# Altium PCB 宝宝驱动板_V8.PcbDoc
Units mil, origin at the board's own origin, x right, y up, seen from the top; angles counter-clockwise.
Board outline 3925 x 1575 mil, 2 copper layers (Top Layer, Bottom Layer); 95 components, 44 nets, 253 pads, 196 vias.
Unrouted connection lines stored in the file: 53.
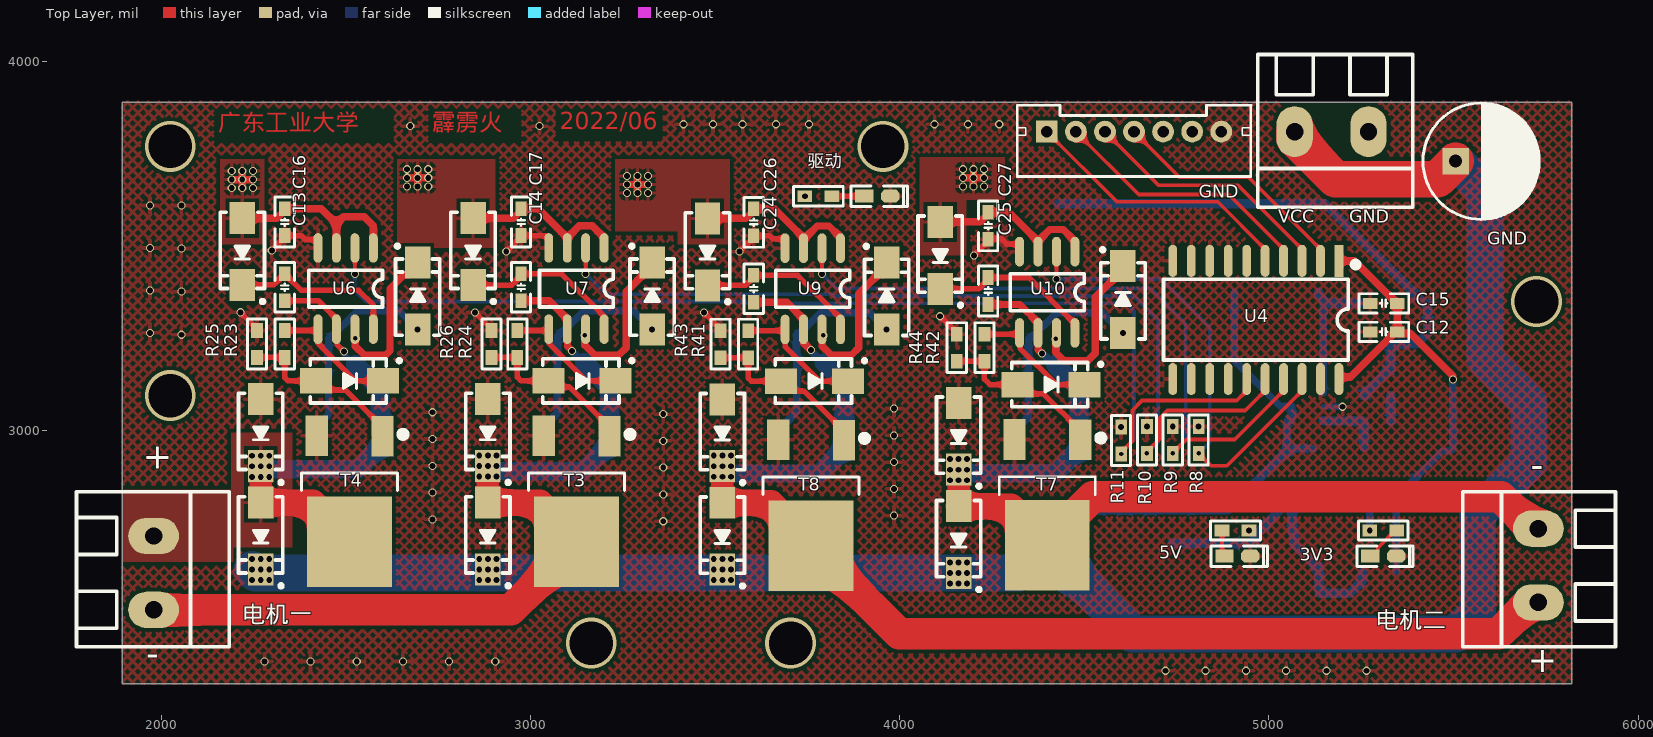
[diagram p0: Top Layer view]
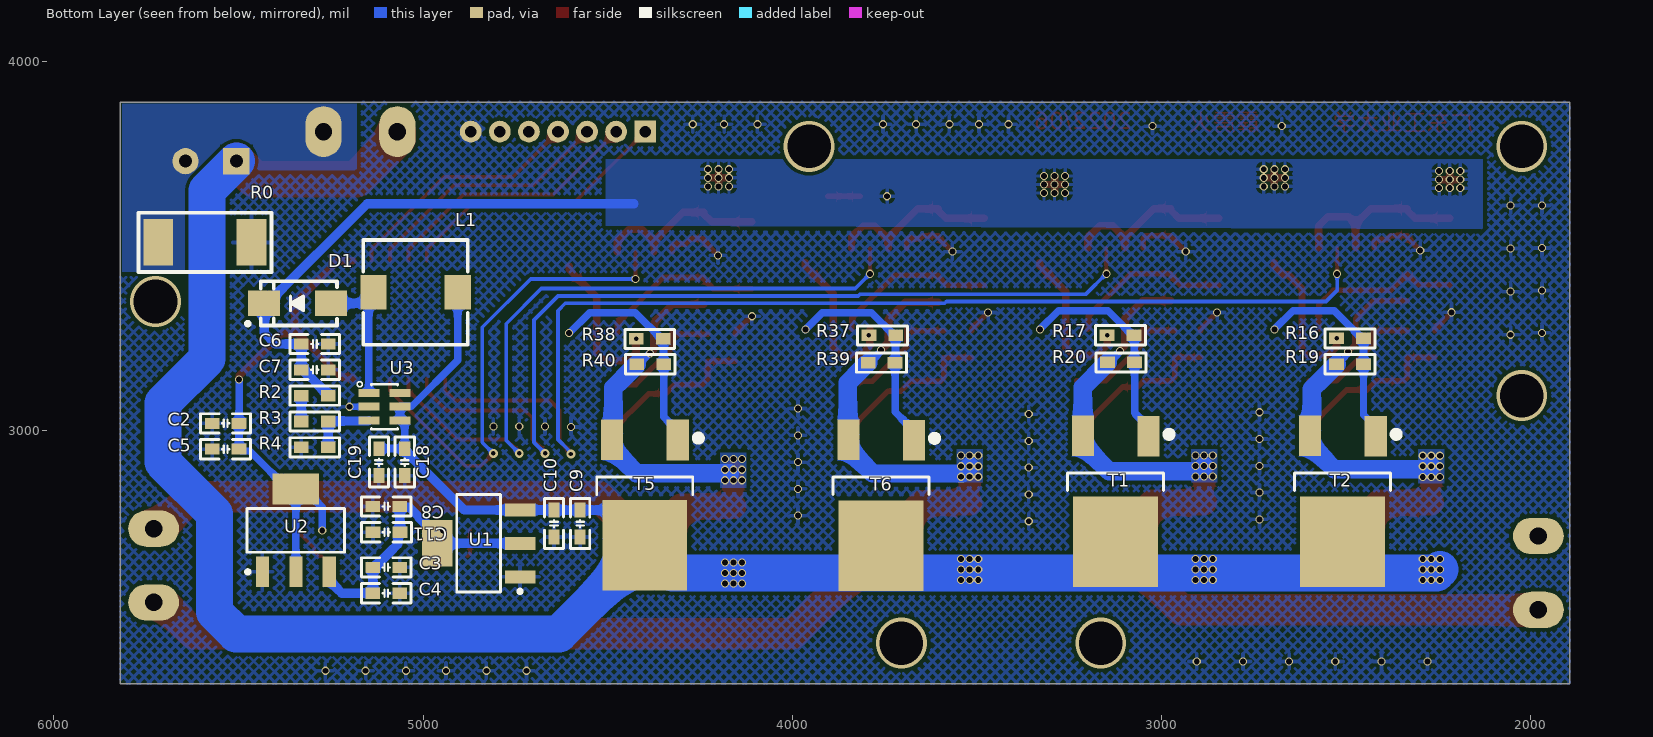
[diagram p1: Bottom Layer view, seen from below]

## Layer stack, top to bottom
Top Solder: solder mask 0.4, Solder Resist, Dk 3.5
Top Layer: signal copper 1.4
Dielectric 1: dielectric 12.6, FR-4, Dk 4.8
Bottom Layer: signal copper 1.4
Bottom Solder: solder mask 0.4, Solder Resist, Dk 3.5

## Board outline
1895,2315 1895,3890 5820,3890 5820,2315

## Design rules (kind name [scope] priority, off if disabled: settings)
Clearance [All] p1: gap=10 ignorepadtopadclearanceinfootprint=FALSE except(0: Arc-Hole Track-Hole SMDPad-Hole THPad-Hole Via-Hole Fill-Hole Poly-Hole Region-Hole Text-Hole)
HoleToHoleClearance [All] p1: gap=0 allowstackedmicrovias=TRUE
MinimumSolderMaskSliver [All] p1: minsoldermaskwidth=0
PolygonConnect [All] p1: thpad.connectstyle=Direct thpad.reliefconductorwidth=10 thpad.reliefentries=4 thpad.polygonreliefangle="90 Angle" thpad.airgapwidth=10 smdpad.connectstyle=Relief smdpad.reliefconductorwidth=10 smdpad.reliefentries=4 smdpad.polygonreliefangle="90 Angle" smdpad.airgapwidth=10 via.connectstyle=Relief via.reliefconductorwidth=10 via.reliefentries=4 via.polygonreliefangle="90 Angle" via.airgapwidth=10
RoutingVias [All] p1: holewidth=12 width=22 viastyle="Through Hole" minholewidth=12 minwidth=22 maxholewidth=12 maxwidth=22
SilkToSilkClearance [All] p1: silktosilkclearance=0
SilkToSolderMaskClearance [IsPad] p1: minsilkscreentomaskgap=0 clearancetoexposedcopper=TRUE
SolderMaskExpansion [All] p1: expansion=4 istentingtop=FALSE
Width [All] p1: maxlimit=100 minlimit=6 preferedwidth=15
26 further rules are at their usual default settings.

## Classes and differential pairs
component class 宝宝驱动板_V8: 3V3 5v C2 C3 C4 C5 C6 C7 C8 C9 C10 C11 C12 C13 C14 C15 C16 C17 C18 C19 C24 C25 C26 C27 D1 GND L1 R0 R2 R3 R4 R8 R9 R10 R11 R16 R17 R19 R20 R23 R24 R25 R26 R37 R38 R39 R40 R41 R42 R43 R44 T1 T2 T3 T4 T5 T6 T7 T8 U1 U2 U3 U4 U6 U7 U9 U10 电机一 电机二

## Components (designator, comment, footprint, x,y, rotation, side; value= is the part's Value field where it differs from the comment)
3V3 "红色" "LED 0603" 5310,2660 r0 top (schematic designator LED1)
5V "红色" "LED 0603" 4915,2660 r0 top (schematic designator LED4)
C0 "220uF 25V" CAPPR3.5-8X11.5 5575,3730 r0 top value=220uF
C2 "106" "C 0603_M" 5535,3020 r180 bottom
C3 "106" "C 0603_M" 5100,2630 r0 bottom
C4 "104" "C 0603_M" 5100,2560 r0 bottom
C5 "104" "C 0603_M" 5535,2950 r180 bottom
C6 "100nF" "C 0603_M" 5293.58,3235 r0 bottom
C7 "10uF" "C 0603_M" 5293.58,3165 r0 bottom
C8 "106" "C 0603_M" 5100,2795 r180 bottom
C9 "106" "C 0603_M" 4575,2748.5 r90 bottom
C10 "104" "C 0603_M" 4645.91,2748.5 r90 bottom
C11 "104" "C 0603_M" 5099.59,2725 r180 bottom
C12 "104" "C 0603_M" 5311.5,3267.87 r0 top
C13 "104" "C 0603_M" 2335,3388.5 r90 top
C14 "104" "C 0603_M" 2975,3388.5 r90 top
C15 "106" "C 0603_M" 5311.5,3345 r0 top
C16 "105" "C 0603_M" 2335,3565 r90 top
C17 "105" "C 0603_M" 2975,3565 r90 top
C18 "10uF" "C 0603_M" 5050,2915 r90 bottom
C19 "100nF" "C 0603_M" 5120,2915 r90 bottom
C24 "104" "C 0603_M" 3605,3384.45 r90 top
C25 "104" "C 0603_M" 4240,3378.5 r90 top
C26 "105" "C 0603_M" 3605,3564.45 r90 top
C27 "105" "C 0603_M" 4240,3555 r90 top
D1 "SS34" SMA 5340,3345 r0 bottom
D2 "US1M" SMA 2220,3485 r270 top
D3 "US1M" SMA 2845,3485 r270 top
D4 "US1M" SMA 2695,3365 r90 top
D5 "US1M" SMA 3330,3365 r90 top
D6 "US1M" SMA 2270,2715 r270 top
D7 "US1M" SMA 2885,2715 r270 top
D8 "US1M" SMA 2510,3135 r0 top
D9 "US1M" SMA 3140,3135 r0 top
D10 "US1M" SMA 2270,2995 r270 top
D11 "US1M" SMA 2885,2995 r270 top
D12 "US1M" SMA 3480,3484.45 r270 top
D13 "US1M" SMA 4110,3475 r270 top
D14 "US1M" SMA 3965,3364.45 r90 top
D15 "US1M" SMA 4605,3355 r90 top
D16 "US1M" SMA 3520,2714.45 r270 top
D17 "US1M" SMA 4160,2705 r270 top
D18 "US1M" SMA 3770,3134.45 r0 top
D19 "US1M" SMA 4410,3125 r0 top
D20 "US1M" SMA 3520,2994.45 r270 top
D21 "US1M" SMA 4160,2985 r270 top
GND "SOURCE" KF128-5.08-2P 5170,3810 r180 top (schematic designator C1)
L1 "4.7uH" "L 7*7" 5135,3375 r180 bottom
P1 "Header 7" PH2.0-L-Z-7P 4398.78,3810 r0 top
R0 "R" "R 2512_M" 5590.98,3510.01 r0 bottom value=0R
R1 "10K" "R 0603_M" 5310,2730 r0 top
R2 "10K" "R 0603_M" 5293.58,3095 r180 bottom
R3 "9.1K" "R 0603_M" 5293.58,3025 r180 bottom
R4 "1K" "R 0603_M" 5293.58,2955 r180 bottom
R5 "10K" "R 0603_M" 3780,3635 r0 top
R7 "10K" "R 0603_M" 4910,2730 r180 top
R8 "4.7K" "R 0603_M" 4810,2975 r90 top
R9 "4.7K" "R 0603_M" 4740,2975 r90 top
R10 "4.7K" "R 0603_M" 4670,2975 r90 top
R11 "4.7K" "R 0603_M" 4600,2973.5 r90 top
R16 "10R" "R 0603_M" 2490,3250 r180 bottom
R17 "10R" "R 0603_M" 3111.5,3258.69 r180 bottom
R19 "10K" "R 0603_M" 2490,3180 r180 bottom
R20 "10K" "R 0603_M" 3110,3185 r180 bottom
R23 "10R" "R 0603_M" 2335,3235 r270 top
R24 "10R" "R 0603_M" 2965,3235 r270 top
R25 "10K" "R 0603_M" 2260,3235 r270 top
R26 "10K" "R 0603_M" 2895,3235 r270 top
R37 "10R" "R 0603_M" 3756.5,3258.14 r180 bottom
R38 "10R" "R 0603_M" 4386.5,3248.69 r180 bottom
R39 "10K" "R 0603_M" 3758.5,3184.45 r180 bottom
R40 "10K" "R 0603_M" 4385,3180 r180 bottom
R41 "10R" "R 0603_M" 3590,3234.45 r270 top
R42 "10R" "R 0603_M" 4230,3225 r270 top
R43 "10K" "R 0603_M" 3515,3234.45 r270 top
R44 "10K" "R 0603_M" 4155,3225 r270 top
T1 "LR7843" TO252 3125,2865.35 r0 bottom
T2 "LR7843" TO252 2510,2865.35 r0 bottom
T3 "LR7843" TO252 3125,2865.35 r180 top
T4 "LR7843" TO252 2510,2865.35 r180 top
T5 "LR7843" TO252 4400,2855 r0 bottom
T6 "LR7843" TO252 3760,2854.45 r0 bottom
T7 "LR7843" TO252 4400,2855.35 r180 top
T8 "LR7843" TO252 3760,2854.45 r180 top
U1 "AMS1117-5V" SOT223_L 4850,2695 r0 bottom
U2 "AMS1117-3V3" SOT223_L 5345,2730 r90 bottom
U3 "SX1308" SOT23-6 5105,3065 r90 bottom
U4 "74HC245" SOP20Z_M 4965,3300 r270 top
U6 "IR2104" SOP8 2576,3494 r270 top
U7 "IR2104" SOP8 3201,3494 r270 top
U9 "IR2104" SOP8 3841,3493.45 r270 top
U10 "IR2104" SOP8 4476,3484 r270 top
电机一 "左电机" KF128-5.08-2P 1980,2615 r270 top (schematic designator J3)
电机二 "右电机" KF128-5.08-2P 5730,2635 r90 top (schematic designator J4)
驱动 "红色" "LED 0603" 3940,3635 r0 top (schematic designator LED5)

## Footprints (in the part's own frame and the unit in brackets; to place one, negate y for a bottom-side part, rotate by r counter-clockwise, add the part's x,y. Pads: shape width x height; smd on the part's side, far side on the other; paste and mask are expansions set on the pad)
"C 0603_M" [mil]
  rect 40x30 smd: 1(-36.5,0) 2(36.5,0)
  silkscreen extent -68,-26 68,26, body extent -31,-16 31,16, height 32
CAPPR3.5-8X11.5 [mm]
  rect 1.8x1.8 hole 0.9: 1(-1.75,0)
  round 1.8 hole 0.9: 2(1.75,0)
  silkscreen extent -4,-4.01 4,4, body extent -4,-3.98 4,3.98, height 11.5
KF128-5.08-2P [mm]
  oval 2.5x3.5 hole 1.2: 1(-2.54,0) 2(2.54,0)
  silkscreen extent -5.59,-5.31 5.08,5.21, body extent -5.58,-5.3 5.08,5.2, height 14.15
"L 7*7" [mm]
  rect 1.8x2.4 smd: 1(0,0) 2(5.8,0)
  silkscreen extent -0.7,-3.6 6.5,3.6, body extent -0.68,-3.2 6.27,3.4, height 3.05
"LED 0603" [mil]
  rect 50x35 smd: 1(-35,0.26)
  oct 50x35 smd: 2(35,0.26)
  silkscreen extent -71,-28 81,28, body extent -31,-16 31,16, height 24
PH2.0-L-Z-7P [mm]
  rect 1.5x1.5 hole 0.8: 1(0,0)
  round 1.5 hole 0.8: 2(2,0) 3(4,0) 4(6,0) 5(8,0) 6(10,0) 7(12,0)
  silkscreen extent -2.03,-3.08 14.03,1.82, body extent -1.95,-3 13.95,1.7, height 6
"R 0603_M" [mil]
  rect 40x31.5 smd: 1(-36.5,0) 2(36.5,0)
  silkscreen extent -68,-26 68,26, body extent -31,-16 31,16, height 16
"R 2512_M" [mm] "1W贴片电阻"
  rect 2.032x3.2 smd: 1(-3.2,0) 2(3.2,0)
  silkscreen extent -4.57,-2.03 4.57,2.03, body extent -3.2,-1.6 3.2,1.6, height 0.55
SMA [mm]
  rect 2.2x1.75 smd: 1(-2.3,0) 2(2.3,0)
  silkscreen extent -2.7,-1.52 3.56,1.52, body extent -2.52,-1.3 2.57,1.3, height 2.15
SOP8 [mil]
  oval 80x24 smd: 1(-1,-1) 2(-1,-51) 3(-1,-101) 4(-1,-151) 5(219,-151) 6(219,-101) 7(219,-51) 8(219,-1)
  silkscreen extent 59,-176 159,24, body extent -4,-174 234,24, height 63
SOP20Z_M [mm]
  rect 2.2x0.6 smd: 1(-4.064,5.715)
  oval 2.2x0.6 smd: 2(-4.064,4.445) 3(-4.064,3.175) 4(-4.064,1.905) 5(-4.064,0.635) 6(-4.064,-0.635) 7(-4.064,-1.905) 8(-4.064,-3.175) 9(-4.064,-4.445) 10(-4.064,-5.715) 11(4.064,-5.715) 12(4.064,-4.445) 13(4.064,-3.175) 14(4.064,-1.905) 15(4.064,-0.635) 16(4.064,0.635) 17(4.064,1.905) 18(4.064,3.175) 19(4.064,4.445) 20(4.064,5.715)
  silkscreen extent -3.96,-6.35 2.75,7.01, body extent -4,-6.25 4,6.25, height 2.7
SOT23-6 [mm]
  rect 0.55x1.45 smd: 1(0.95,1.075) 2(0,1.075) 3(-0.95,1.075) 4(-0.95,-1.075) 5(0,-1.075) 6(0.95,-1.075)
  silkscreen extent -1.55,-0.9 1.73,1.88, body extent -1.43,-1.2 1.49,1.14, height 1
SOT223_L [mm] "SOT223, 4-Leads, Body 6.5x3.5mm, Pitch 2.3mm, Lead Span 7mm, IPC High Density"
  rect 2.1x0.9 smd: 1(-2.85,2.3) 2(-2.85,0) 3(-2.85,-2.3)
  rect 2.1x3.2 smd: 4(2.85,0)
  silkscreen extent -2.97,-3.35 1.5,3.42, body extent -1.85,-3.35 1.85,3.35, height 1.7
TO252 [mil]
  rect 60x110 smd: 1(-89.55,-119.77) 3(88.45,-120.77)
  rect 230x245 smd: 2(0,165.35)
  silkscreen extent -153,-133 130,28, body extent -128,-120 128,251, height 91

## Part data
3V3 5V 驱动: library part LED, "贴片LED", BOM名称=贴片LED, 学习资源=https://shop463601444.taobao.com, 版权归属="封装库来自淘宝 ID：黄晶宝石"
C0: library part Cap-Elect, "Polarized Capacitor (Radial)", Voltage=25V, Price(RMB)=0.000, Published=8-Jun-2000, Publisher="Altium Limited", Revision="July-2002: Re-released for DXP Platform."
C2 C3 C4 C5 C6 C7 C8 C9 C10 C11 C12 C15 C16 C17 C18 C19 C26 C27: library part C, "贴片电容", BOM名称=无极性贴片电容, 唯一出售店铺网址=https://shop463601444.taobao.com, 淘宝ID="封装库来自淘宝 ID：黄晶宝石", 联系售后，技术支持=https://shop463601444.taobao.com
C13 C14 C24 C25: library part C, "贴片陶瓷电容 MLCC", BOM名称=无极性贴片电容, 唯一出售店铺网址=https://shop463601444.taobao.com, 淘宝ID="封装库来自淘宝 ID：黄晶宝石", 联系售后，技术支持=https://shop463601444.taobao.com
D1: "肖特基二极管"
D2 D3 D4 D5 D6 D7 D8 D9 D10 D11 D12 D13 D14 D15 D16 D17 D18 D19 D20 D21: "快恢复二极管"
GND: library part Source_端子
L1: library part L, "功率电感"
P1: "Header, 7-Pin", LatestRevisionDate=17-Jul-2002, LatestRevisionNote="Re-released for DXP Platform.", Publisher="Altium Limited"
R0: "贴片电阻", 版权归属=电协硬件组
R1 R2 R3 R4 R5 R7 R16 R17 R19 R20 R23 R24 R25 R26 R37 R38 R39 R40 R41 R42 R43 R44: library part R, "贴片电阻", BOM名称=贴片电阻, 封装库来自淘宝卖家 ID：黄晶宝石=其他店铺购入均为盗版，不享受售后技术支持服务，请立即申请退款, 版权归属="来自淘宝 ID：黄晶宝石", 联系售后=https://shop463601444.taobao.com
R8 R9 R10 R11: library part RES
T1 T2 T3 T4 T5 T6 T7 T8: library part SM3113NSUC, "N-MOS"
U1 U2: library part AMS1117, "三端稳压芯片", BOM名称=稳压芯片, 欢迎光临淘宝店铺=https://shop463601444.taobao.com, 淘宝ID="封装库来自淘宝 ID：黄晶宝石"
U3: "DCDC升压芯片"
U4: "光耦隔离"
U6 U7 U9 U10: library part EG2104, "半桥驱动芯片"
电机一 电机二: library part 接线端子

## Via types
v1: diameter 22, hole 16, Top Layer to Bottom Layer, 182 vias
v2: diameter 24, hole 12, Top Layer to Bottom Layer, 8 vias
v3: diameter 137.8, hole 118.11, Top Layer to Bottom Layer, 6 vias

## Nets (pads, with @x,y where several pads share a name; then routed paths per layer and width w, separated by ;. In a path a pad name is that pad's centre, name@x,y a point inside that pad or via, vN(x,y) a via of type N, cw(c..) or ccw(c..) an arc to the next point about the centre after c; other vN are vias at no path point)
GND: 3V3.2 5V.2 C2.1 C3.1 C4.1 C5.1 C6.1 C7.1 C8.1 C9.1 C10.1 C11.1 C12.1 C15.1 C16.1 C17.1 C18.1 C19.1 C26.1 C27.1 D10.1 D11.1 D20.1 D21.1 P1.7 R0.1 R4.1 R8.2 R9.2 R10.2 R11.2 R25.1 R26.1 R43.1 R44.1 T3.3 T4.3 T7.3 T8.3 U1.1 U2.1 U3.2 U4.6 U4.7 U4.8 U4.9 U4.10 U4.11 U4.12 U4.13 U4.14 U4.19 U6.4 U7.4 U9.4 U10.4 驱动.2 | length 996.7
  Top Layer w15: v1(2215,3320.75) 2260,3275.75 R25.1 ; v1(2300,3488.5) 2335,3523.5 C16.1 2379.78,3528.5 2390.5,3517.78 2420.84,3517.78 2425,3513.62 U6.4 ; v1(2850,3320) 2850.75,3320 2895,3275.75 R26.1 ; v1(2935,3485) 2966,3516 2967.5,3516 2975,3523.5 C17.1 3042.06,3528.5 3050,3520.56 U7.4 ; v1(3470,3320) 3470.2,3320 3515,3275.2 R43.1 ; v1(3567.05,3485) 3605,3522.95 C26.1 3647.28,3527.95 3655.5,3519.73 3685.84,3519.73 3690,3515.57 U9.4 ; v1(4110,3310) 4110.75,3310 4155,3265.75 R44.1 ; v1(4201.5,3475) 4240,3513.5 C27.1 4241.5,3520 4275,3520 4289.5,3505.5 4320.84,3505.5 4325,3501.34 U10.4
  Bottom Layer w15: U3.2 v1(5200,3065)
  other v1: 4720,2350 4829,2350 4938,2350 5047,2350 5156,2350 5265,2350 2280,2375 2405,2375 2530,2375 2655,2375 2780,2375 2905,2375 3360,2755 2735,2760 3985,2770 3360,2827.5 2735,2832.5 3985,2842.5 3360,2900 2735,2905 3985,2915 3360,2972.5 2735,2977.5 3985,2987.5 4600,3010 4670,3011.5 4740,3011.5 4810,3011.5 3360,3045 2735,3050 3985,3060 2055,3260 1970,3265 2055,3376.67 1970,3380 2055,3493.33 1970,3495 1970,3610 2055,3610 2675,3825 3025,3825 3415,3830 3495,3830 3575,3830 3665,3830 3755,3830 4095,3830 4185,3830 4270,3830
ML+: C13.1 D6.1 D10.2 R19.1 T2.3 T4.2 U6.6 电机一.1 | length 1302.4
  Top Layer w15: C13.1 2426,3352 2475,3303 U6.6 2476.72,3273.28 2476.72,3233.28 v1(2495,3215)
  Top Layer w50: D6.1 D10.2
  Top Layer w70: D6.1 2411.95,2805.55 2510,2707.5 T4.2
  Bottom Layer w15: v1(2495,3215) 2496.34,3213.66 2496.34,3205.91 2522.25,3180 R19.1
  Bottom Layer w50: v1@2269.86,2903.88 2278.62,2895.13 2532.45,2895.13 2598.45,2961.13 T2.3 2593.45,2991.13 2593.45,3113.05 R19.1
  other v1: 2246.89,2875.18 2270,2875.18 2293.11,2875.18 2246.89,2903.74 2270,2903.74 2293.11,2903.74 2246.89,2932.3 2270,2932.3 2293.11,2932.3
ML-: C14.1 D7.1 D11.2 R20.1 T1.3 T3.2 U7.6 电机一.2 | length 2513.6
  Top Layer w20: C14.1 3051,3352 3100,3303 U7.6 3100.77,3274.23 3100.77,3228.39 3112.94,3216.21 v1(3112.94,3215.67)
  Top Layer w50: D7.1 v1(2885,2904.45)
  Top Layer w70: D7.1 3026.95,2805.55 3125,2707.5 T3.2
  Top Layer w85: 电机一.2 2947.5,2515 3125,2692.5 T3.2
  Bottom Layer w20: v1(3112.94,3215.67) 3113.32,3215.29 3113.32,3213.93 3142.25,3185 R20.1
  Bottom Layer w50: v1(2885,2904.45) 2899.45,2890 3142.32,2890 3213.45,2961.13 T1.3 3213.45,3118.05 R20.1
  other v1: 2861.89,2875.89 2885,2875.89 2908.11,2875.89 2861.89,2904.45 2908.11,2904.45 2861.89,2933.01 2885,2933.01 2908.11,2933.01
MR+: C24.1 D16.1 D20.2 R39.1 T6.3 T8.2 U9.6 电机二.1 | length 3418.6
  Top Layer w20: C24.1 3694.5,3347.95 3740.77,3301.68 3740.77,3237.28 v1(3759.81,3218.24)
  Top Layer w50: D16.1 v1(3520,2903.9)
  Top Layer w70: D16.1 3651.59,2805 3760,2696.59 T8.2
  Top Layer w85: T8.2 3760,2681.59 3832.5,2609.09 3840,2609.09 3999.09,2450 5621.68,2450 5706.68,2535 电机二.1
  Bottom Layer w20: v1(3759.81,3218.24) 3760.19,3217.86 3760.19,3215.01 3785,3190.2 3789.25,3190.2 R39.1
  Bottom Layer w50: v1(3520,2903.9) 3539.68,2884.22 3782.45,2884.22 3843.45,2945.22 3843.45,2970.22 T6.3 3850,2976.77 3850,3129.45 R39.1
  other v1: 3496.89,2875.34 3520,2875.34 3543.11,2875.34 3496.89,2903.9 3543.11,2903.9 3496.89,2932.46 3520,2932.46 3543.11,2932.46
MR-: C25.1 D17.1 D21.2 R40.1 T5.3 T7.2 U10.6 电机二.2 | length 2698.4
  Top Layer w20: C25.1 4326,3342 4375,3293 U10.6 4375.77,3264.23 4375.77,3219.51 4385.3,3209.97 v1(4385.3,3209.43)
  Top Layer w50: D17.1 v1(4160,2894.45)
  Top Layer w70: D17.1 4301.95,2795.55 4400,2697.5 T7.2
  Top Layer w85: T7.2@4400,2697.5 4523.5,2821 5627.95,2821 5713.95,2735 电机二.2
  Bottom Layer w20: v1(4385.3,3209.43) 4385.68,3209.05 4388.2,3209.05 4417.25,3180 R40.1
  Bottom Layer w50: 4169.68,2884.77 4422.45,2884.77 4488.45,2950.77 T5.3 4485,2979.22 4485,3116.5 R40.1
  other v1: 4136.89,2865.89 4160,2865.89 4183.11,2865.89 4136.89,2894.45 4183.11,2894.45 4136.89,2923.01 4160,2923.01 4183.11,2923.01
NetC13_2: C13.2 D2.2 U6.8 | length 470.8
  Top Layer w15: D2.2 2220.55,3395 2305,3395 2322.5,3412.5 2327.5,3412.5 2335,3420 C13.2 2380,3380 2535,3380 2575,3340 U6.8
NetC14_2: C14.2 D3.2 U7.8 | length 453.2
  Top Layer w15: D3.2 2949.45,3394.45 2975,3420 C14.2 3085,3425 3198.28,3311.72 3198.28,3276.72 U7.8
NetC24_2: C24.2 D12.2 U9.8 | length 452.7
  Top Layer w15: D12.2 3582.95,3393.9 3605,3415.95 C24.2 3724.05,3420.95 3835.5,3309.5 3835.5,3309.38 3840,3304.88 U9.8
NetC25_2: C25.2 D13.2 U10.8 | length 457.7
  Top Layer w15: D13.2 4214.45,3384.45 4240,3410 C25.2 4350,3415 4467.5,3297.5 4468.06,3297.5 4475,3290.56 U10.8
NetD1_1: D1.1 L1.1 U3.1 | length 384.2
  Bottom Layer w20: U3.1 L1.1@5147.32,3355.61
  Bottom Layer w25: L1.1 5135,3367.93 5147.32,3355.61 5157.93,3345 D1.1
NetD4_1: D4.1 R16.2 R19.2 T2.1 | length 572.1
  Bottom Layer w20: T2.1 2420.45,3010.13 2453.5,3043.18 R19.2 R16.2 2457.75,3250 2532.75,3325 2644.45,3325 v1(2695,3274.45)
NetD4_2: D4.2 R16.1 U6.7 | length 407.9
  Top Layer w20: v2(2526.5,3250) 2525.77,3249.27 2525.77,3243.41 2526.31,3242.87 2526.31,3228.69 2550,3205 2608.28,3205 2620,3216.72 2620,3385 2657.24,3422.24 2670.55,3422.24 2695,3446.69 D4.2
NetD5_1: D5.1 R17.2 R20.2 T1.1 | length 593.4
  Bottom Layer w20: T1.1 3035.45,3010.13 3073.5,3048.18 R20.2 3074.25,3185.75 3074.25,3257.94 R17.2 3079.25,3258.69 3145.56,3325 3279.45,3325 v1(3330,3274.45)
NetD5_2: D5.2 R17.1 U7.7 | length 423.7
  Top Layer w20: U7.7@3148.77,3252.98 3148.77,3257.93 v2(3148,3258.69) 3148,3232 3160,3220 3175,3205 3240,3205 3260,3225 3260,3376.69 3330,3446.69 D5.2
NetD8_1: D8.1 R23.2 R25.2 T4.1 | length 474.6
  Top Layer w15: R25.2 R23.2 2335,3143.79 2343.79,3135 D8.1 2444.12,3110.33 2499.35,3110.33 2577.05,3032.63 2599.55,3010.13 T4.1
NetD8_2: D8.2 R23.1 U6.5 | length 347.2
  Top Layer w15: R23.1 2421.5,3271.5 U6.5 2426.72,3273.28 2426.72,3235.4 2527.13,3135 D8.2
NetD9_1: D9.1 R24.2 R26.2 T3.1 | length 453.9
  Top Layer w15: R26.2 R24.2 2965,3145 2975,3135 D9.1 3066.24,3118.21 3106.47,3118.21 3192.05,3032.63 3214.55,3010.13 T3.1
NetD9_2: D9.2 R24.1 U7.5 | length 347.3
  Top Layer w15: R24.1 3046.5,3271.5 U7.5 3051.72,3273.28 3051.72,3235.23 3151.95,3135 D9.2
NetD14_1: D14.1 R37.2 R39.2 T6.1 | length 595.8
  Bottom Layer w20: T6.1 3670.45,2999.22 3722,3050.77 R39.2 3721,3185.45 3721,3257.14 R37.2 3724.25,3258.14 3786.11,3320 3918.9,3320 v1(3965,3273.9)
NetD14_2: D14.2 R37.1 U9.7 | length 424.2
  Top Layer w20: U9.7 3790,3258.14 3790.77,3257.38 3790.77,3229.23 3815,3205 3870,3205 3890,3225 3890,3371.14 3965,3446.14 D14.2
  other v2: 3793,3258.14
NetD15_1: D15.1 R38.2 R40.2 T5.1 | length 597.9
  Bottom Layer w20: T5.1 4310.45,2999.77 4348.5,3037.82 R40.2 4349.25,3180.75 4349.25,3247.94 R38.2 4354.25,3248.69 4425.56,3320 4549.45,3320 v1(4605,3264.45)
NetD15_2: D15.2 R38.1 U10.7 | length 433.7
  Top Layer w20: U10.7@4423.77,3242.98 4423.77,3247.93 v2(4423,3248.69) 4423,3212 4445,3190 4510,3190 4530,3210 4530,3361.69 4605,3436.69 D15.2
NetD18_1: D18.1 R41.2 R43.2 T8.1 | length 473.9
  Top Layer w15: R43.2 R41.2 3590,3143.24 3598.79,3134.45 D18.1 3706.4,3107.5 3741.27,3107.5 3849.55,2999.22 T8.1
NetD18_2: D18.2 R41.1 U9.5 | length 357.1
  Top Layer w15: R41.1 3686.5,3270.95 U9.5 3690.28,3274.16 3690.28,3227.94 3783.78,3134.45 D18.2
NetD19_1: D19.1 R42.2 R44.2 T7.1 | length 466
  Top Layer w15: R44.2 R42.2 4230,3140 4245,3125 D19.1 4344.45,3100 4389.68,3100 4489.55,3000.13 T7.1
NetD19_2: D19.2 R42.1 U10.5 | length 353.4
  Top Layer w15: R42.1 4321.5,3261.5 U10.5 4326.72,3263.28 4326.72,3223.28 4425,3125 D19.2
NetLED1_1: 3V3.1 R1.2 | length 106.2
  Top Layer w10: 3V3.1 5282.5,2660.26 5295,2672.76 5295,2682.75 5342.25,2730 R1.2
NetLED4_1: 5V.1 R7.2 | length 72.4
  Top Layer w10: R7.2 4873.5,2666.76 5V.1
NetLED5_1: R5.2 驱动.1 | length 88.6
  Top Layer w15: R5.2 3816.63,3635.13 3904.88,3635.13 驱动.1
NetP1_1: P1.1 U4.5 | length 754.6
  Top Layer w10: P1.1 4588.78,3620 4861.5,3620 4990,3491.5 U4.5
NetP1_2: P1.2 U4.4 | length 725.9
  Top Layer w10: P1.2 4647.52,3640 4891.5,3640 5040,3491.5 U4.4
NetP1_3: P1.3 U4.3 | length 697.2
  Top Layer w10: P1.3 4701.26,3665 4916.5,3665 5090,3491.5 U4.3
NetP1_4: P1.4 U4.2 | length 668.4
  Top Layer w10: P1.4 4757.64,3687.36 4944.14,3687.36 5140,3491.5 U4.2
NetR2_1: R2.1 R3.1 | length 70
  Bottom Layer w25: R3.1 R2.1
NetR3_2: R3.2 R4.2 U3.3 | length 180.8
  Bottom Layer w25: U3.3 5148.62,3026.3 5255.78,3026.3 R3.2 R4.2
PGND: C0.2 GND.1 R0.2
PWM1: R11.1 U4.15 U6.2 | length 3144.4
  Top Layer w10: v1(2525,3425) U6.2 ; v2(4600,2937) 4600,2941.25 4630.75,2972 4630.75,3055.75 4656.7,3081.7 4913.19,3081.7 4940,3108.51 U4.15
  Bottom Layer w10: v1(2525,3425) 2525,3380 2555,3350 3582.5,3350 3587.5,3345 4615,3345 4635,3325 4635,2976.25 4606.97,2948.22 4606.97,2947.75 4600,2940.79 v2(4600,2937)
PWM2: R10.1 U4.16 U7.2 | length 2503.6
  Top Layer w10: v1(3150,3425) U7.2 ; v2(4670,2938.5) 4670,2942.75 4705,2977.75 4705,3035 4725,3055 4936.49,3055 4990,3108.51 U4.16
  Bottom Layer w10: v1(3150,3425) 3205,3370 3816.72,3370 3821.72,3365 4635,3365 4700,3300 4700,2968.5 v2(4670,2938.5)
PWM3: R9.1 U4.17 U9.2 | length 1880.8
  Top Layer w10: v1(3790,3425) U9.2 ; v2(4740,2938.5) 4740,2942.75 4750.75,2953.5 4753.5,2953.5 4776.5,2976.5 4907.99,2976.5 5040,3108.51 U4.17
  Bottom Layer w10: v1(3790,3425) 3830,3385 4680,3385 4775,3290 4775,2973.5 v2(4740,2938.5)
PWM4: R8.1 U4.18 U10.2 | length 1306.9
  Top Layer w10: v1(4425,3411) U10.2 ; v2(4810,2938.5) 4843.5,2905 4886.49,2905 5090,3108.51 U4.18
  Bottom Layer w10: v1(4425,3411) 4709,3411 4840,3280 4840,2968.5 v2(4810,2938.5)
VCC_3V3: C2.2 C5.2 C12.2 C15.2 R1.1 U2.2 U2.4 U4.1 U4.20 | length 1473.3
  Top Layer w20: U4.20 5190,3143.29 5191.67,3144.97 5220.09,3144.97 5338,3262.87 5343,3262.87 C12.2 ; U4.1 5231.81,3460 5338,3353.81 5338,3350 5343,3345 C15.2 C12.2 ; v1(5498.5,3138.5) 5498.12,3138.88 5498.12,3148.76 5384,3262.87 5353,3262.87 C12.2
  Bottom Layer w20: v1(5273.5,2730) 5273.5,2792.36 5323.35,2842.2 U2.4 ; U2.2 U2.4 ; v1(5498.5,3138.5) C2.2 C5.2 5493.5,2945 5469.45,2945 5366.65,2842.2 U2.4
VCC_5V: C3.2 C4.2 C8.2 C11.2 R7.1 U1.2 U1.4 U2.3 | length 805.6
  Bottom Layer w25: U1.2 U1.4 4962.2,2716.65 4991.04,2745.49 5038.05,2792.5 5061,2792.5 C8.2 ; C8.2@5063.29,2794.79 5063.29,2725.21 C11.2 5066.31,2725 5068.81,2722.5 5068.81,2692.69 5089.99,2671.51 5129,2632.5 5134,2632.5 C3.2 C4.2 5220.28,2560 5254.45,2594.17 U2.3
  other v1: 4946.5,2730
VCC_12V: C6.2 C7.2 C16.2 C17.2 C26.2 C27.2 D1.2 D2.1 D3.1 D12.1 D13.1 R2.2 R5.1 U6.1 U6.3 U7.1 U7.3 U9.1 U9.3 U10.1 U10.3 | length 3894.5
  Top Layer w20: v1(2191.44,3680) v1(2220,3680) ; D2.1 2220.55,3575 2313.5,3575 2335,3596.5 C16.2 2433.5,3601.5 2475,3560 ; v1(2220,3656.89) v1(2220,3680) ; v1(2220,3703.11) v1(2220,3680) ; v1(2248.56,3680) v1(2220,3680) ; U6.3 2475,3560 ; U6.1 2575,3555 2550,3580 2495,3580 2475,3560 ; v1(2666.44,3685) v1(2695,3685) ; v1(2695,3661.89) v1(2695,3685) ; v1(2695,3708.11) v1(2695,3685) ; v1(2723.56,3685) v1(2695,3685) ; D3.1 2954.05,3575.55 2975,3596.5 C17.2 3021.5,3601.5 U7.3@3100,3523 ; U7.3 U7.3@3100,3521.92 ; U7.3@3100,3525 U7.3@3100,3523 ; U7.1 3200,3523 3168,3555 3133.08,3555 3101.85,3523.77 U7.3@3100,3521.92 ; v1(3261.44,3666.89) v1(3290,3666.89) ; v1(3290,3643.77) v1(3290,3666.89) ; v1(3290,3690) v1(3290,3666.89) ; v1(3318.56,3666.89) v1(3290,3666.89) ; D12.1 3584.05,3575 3605,3595.95 C26.2 3661.5,3600.95 3740,3522.45 U9.3@3740,3521.37 ; U9.3 U9.3@3740,3521.37 ; U9.1 3840,3523.53 3809.08,3554.45 3776.75,3554.45 3745.51,3523.21 3741.85,3523.21 U9.3@3740,3521.37 ; D13.1 4219.05,3565.55 4240,3586.5 C27.2 4296.5,3591.5 U10.3@4375,3513 ; v1(4171.44,3685) v1(4200,3685) ; v1(4200,3661.89) v1(4200,3685) ; v1(4200,3708.11) 4200.38,3707.73 4200.38,3685.38 v1(4200,3685) ; v1(4228.56,3685) v1(4200,3685) ; U10.3 U10.3@4375,3513 ; U10.1 4475,3513 4443,3545 4407,3545 U10.3@4375,3513 ; U7.3@3100,3521.92 U7.3@3100,3523
  Bottom Layer w25: 4429.37,3615 5151.69,3615 5421.69,3345 D1.2 5430.55,3265.55 5400,3235 C6.2 C7.2 5325.08,3165 5264.58,3104.5 5264.58,3098.25 5261.33,3095 R2.2
  other v1: 3743.5,3635 3261.44,3643.77 3318.56,3643.77 2191.44,3656.89 2248.56,3656.89 2666.44,3661.89 2723.56,3661.89 4171.44,3661.89 4228.56,3661.89 3261.44,3690 3318.56,3690 2191.44,3703.11 2248.56,3703.11 2666.44,3708.11 2723.56,3708.11 4171.44,3708.11 4228.56,3708.11
VCC_BAT: C0.1 C9.2 C10.2 C18.2 C19.2 D6.2 D7.2 D16.2 D17.2 GND.2 L1.2 T1.2 T2.2 T5.2 T6.2 U1.3 U3.4 U3.5 | length 7084.3
  Top Layer w100: GND.2 5070,3791.89 5180.79,3681.1 5457.2,3681.1 C0.1
  Bottom Layer w20: L1.2 4906.65,3190.77 5031.6,3065.83 5061.85,3065.83 U3.5 U3.4 5050.83,3027.6 5050,3026.77 C18.2 C19.2
  Bottom Layer w25: T5.2 4495.35,2785 C9.2 C10.2 4646.19,2785.28 4737.52,2785.28 U1.3 4889.05,2785.55 5050,2946.5 C18.2
  Bottom Layer w100: v1(2246.89,2624.45) 2256.34,2615 T1.2@3125,2615 ; v1@3496.89,2615 T1.2@3125,2615 ; C0.1 5585,3651.1 5585,3195 5705,3075 5705,2915 5565,2775 5565,2508.58 5506.42,2450 4632.15,2450 4400,2682.15 T5.2 4325.35,2615 4183.11,2615 T1.2@3125,2615
  other v1: 4136.89,2585.89 4160,2585.89 4183.11,2585.89 3496.89,2595.34 3520,2595.34 3543.11,2595.34 2246.89,2595.89 2270,2595.89 2293.11,2595.89 2861.89,2595.89 2885,2595.89 2908.11,2595.89 4136.89,2614.45 4160,2614.45 4183.11,2614.45 2270,2624.45 2293.11,2624.45 2861.89,2624.45 2885,2624.45 2908.11,2624.45 3496.89,2623.9 3520,2623.9 3543.11,2623.9 4136.89,2643.01 4160,2643.01 4183.11,2643.01 3496.89,2652.46 3520,2652.46 3543.11,2652.46 2246.89,2653.01 2270,2653.01 2293.11,2653.01 2861.89,2653.01 2885,2653.01 2908.11,2653.01
pads on no net: P1.5 P1.6 U3.6
copper on no net:
  other v3: 3165,2425 3705,2425 2025,3095 5725,3350 2025,3770 3955,3770

## Polygon pours and split planes (outlines as drawn)
GND on Top Layer "gnd" (hatched 45Degree grid 20 track 8, remove dead copper, pour order 18): 1895,2315 1895,3890 5820,3890 5820,2315
ML+ on Top Layer "ML+_L01_P000" (solid, remove dead copper, pour order 0): 1895,2645 2195,2645 2195,2685 2355,2685 2355,2995 2190,2995 2190,2840 1900,2840 1895,2835
VCC_12V on Top Layer "VCC_12V_L01_P005" (solid, remove dead copper, pour order 5): 4055,3475 4055,3740 4285,3740 4285,3625 4180,3625 4180,3475
VCC_12V on Top Layer "VCC_12V_L01_P004" (solid, remove dead copper, pour order 4): 3540,3505 3540,3735 3230,3735 3230,3540 3400,3540 3400,3505
VCC_12V on Top Layer "VCC_12V_L01_P003" (solid, remove dead copper, pour order 3): 2905,3495 2905,3735 2640,3735 2640,3495
VCC_12V on Top Layer "VCC_12V_L01_P002" (solid, remove dead copper, pour order 2): 2160,3735 2160,3510 2165,3505 2275,3505 2280,3510 2280,3735
GND on Bottom Layer "GND_L02_P019" (hatched 45Degree grid 20 track 8, remove dead copper, pour order 19): 1895,2315 1895,3890 5820,3890 5820,2315
PGND on Bottom Layer "PGND_L02_P017" (solid, pour order 17): 5180,3885 5180,3710 5185,3705 5590,3705 5590,3430 5815,3430 5815,3885
MR- on Bottom Layer "MR-_L02_P014" (solid, remove dead copper, pour order 14): 4125,2940 4195,2940 4195,2845 4125,2845
MR+ on Bottom Layer "MR+_L02_P013" (solid, remove dead copper, pour order 13): 3485,2950 3555,2950 3555,2860 3485,2860
ML- on Bottom Layer "ML-_L02_P012" (solid, remove dead copper, pour order 12): 2850,2950 2920,2950 2920,2860 2850,2860
ML+ on Bottom Layer "ML+_L02_P011" (solid, remove dead copper, pour order 11): 2234.99,2950.1 2305.01,2950.1 2305.01,2857.38 2234.99,2857.38
VCC_12V on Bottom Layer "VCC_12V_L02_P001" (solid, remove dead copper, pour order 1): 4505,3555 4505,3735 2130,3735 2130,3545

## Other copper
Top Layer:
  text "2022/06" at 3080,3800 h78.74
  text "广东工业大学" at 2155,3796.65 h78.74
  text "霹雳火" at 2734.98,3796.65 h78.74

## Silkscreen, mask and mechanical layers (free items; w line width, h text height)
Top Overlay:
  text "GND" at 4810.25,3618.33 h60
  text "VCC" at 5025,3550.67 h60
  text "GND" at 5590.98,3491.04 h60
  text "+" at 1950,2873.89 h120
  text "-" at 5710,2849.45 h120
  text "-" at 1960,2339.45 h120
  text "+" at 5701.96,2323.12 h120
Mechanical 1:
  the board outline again, w10

## Dimensions
1895,2315 to 5820,2315 on Mechanical 1
1895,3890 to 1895,2315 on Mechanical 1